# Altium PCB NixieDriver.PcbDoc
Units mm, origin at the board's own origin, x right, y up, seen from the top; angles counter-clockwise.
Board outline 137.67 x 55.88 mm, 2 copper layers (Top Layer, Bottom Layer), stack 1.671 mm thick; 53 components, 80 nets, 279 pads, 77 vias.
Unrouted connection lines stored in the file: 40.
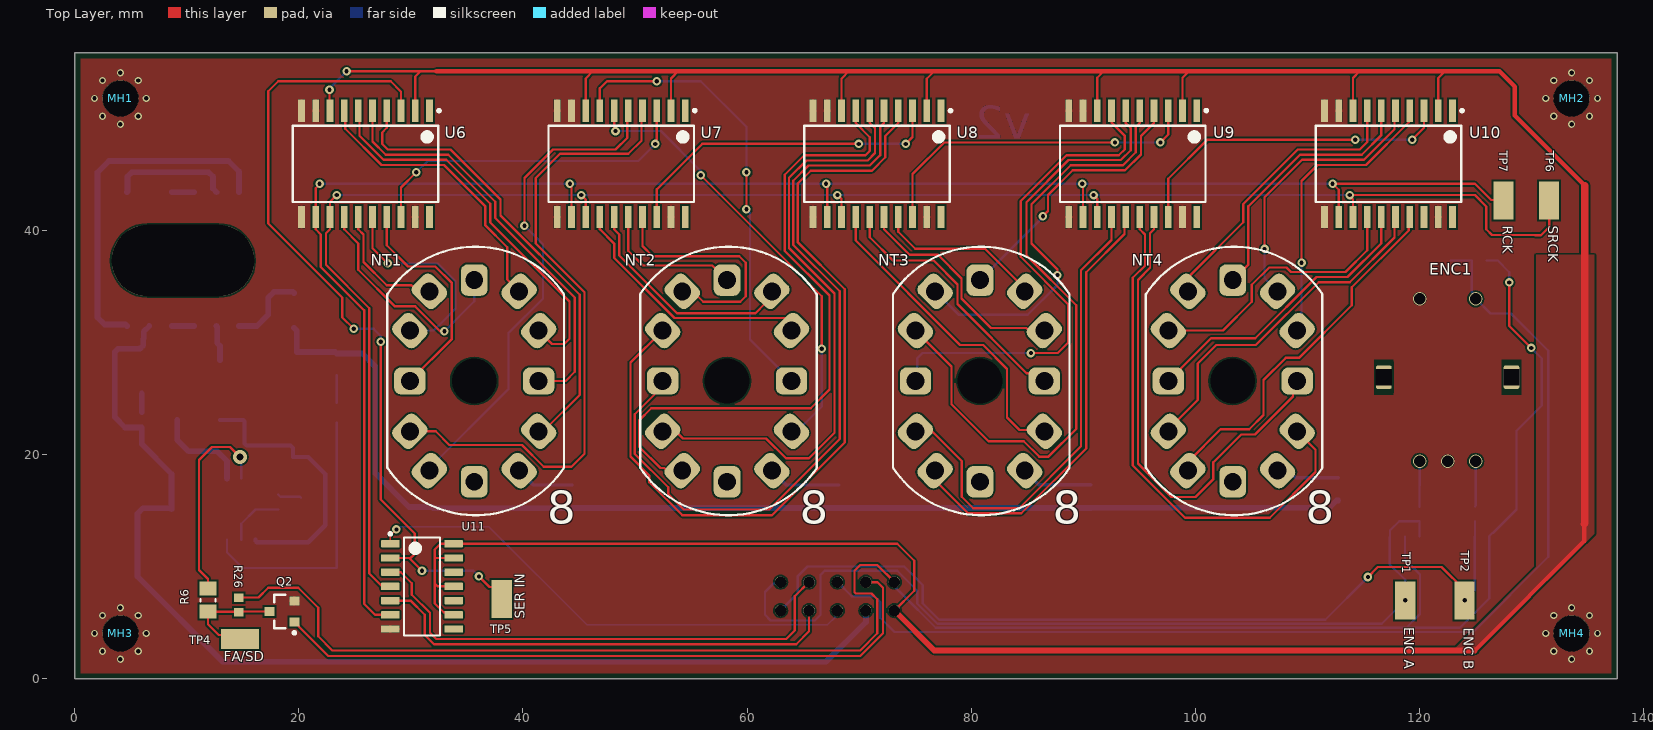
[diagram p0: Top Layer view]
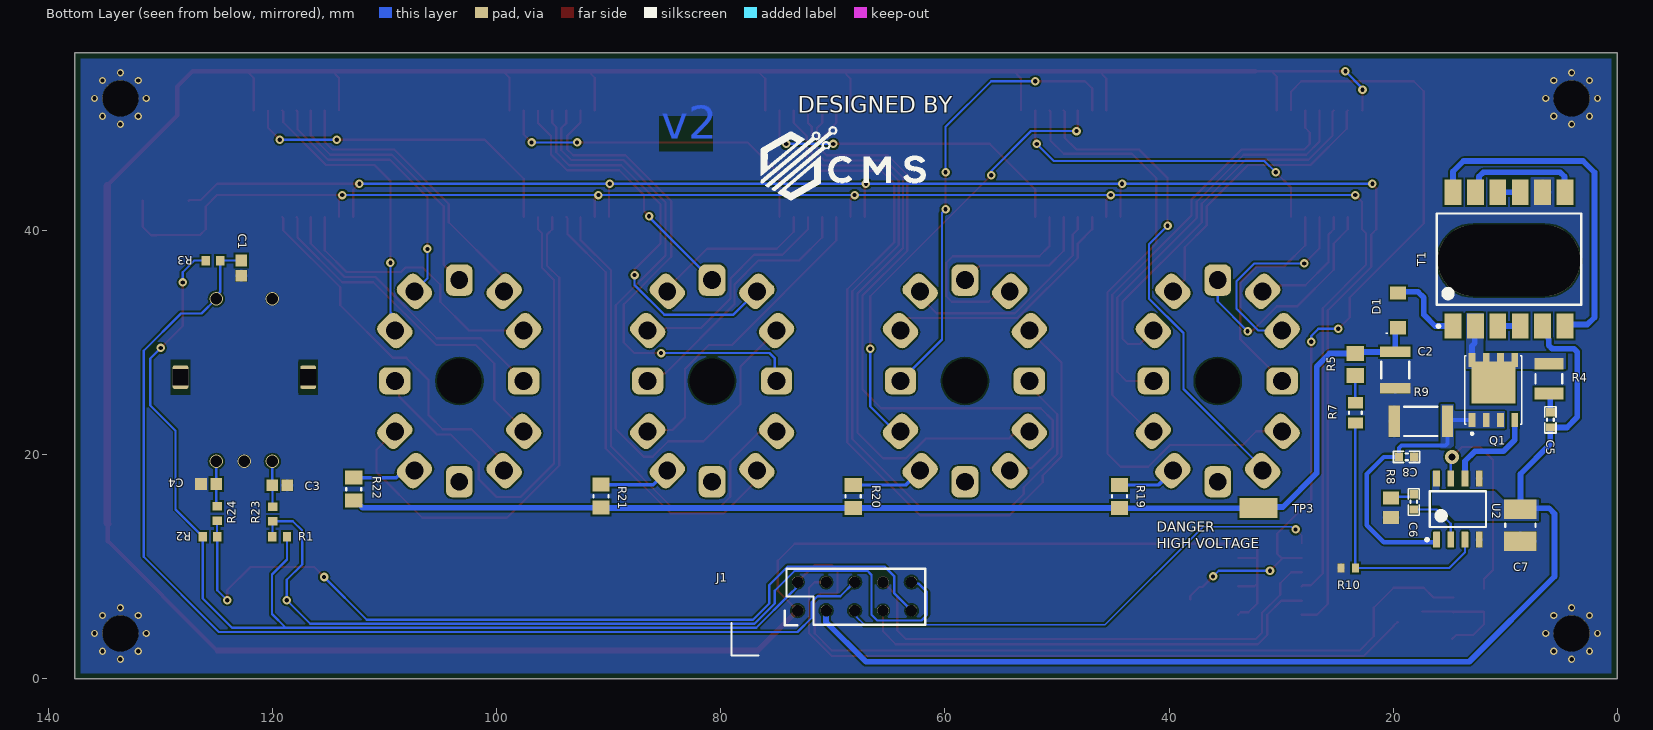
[diagram p1: Bottom Layer view, seen from below]
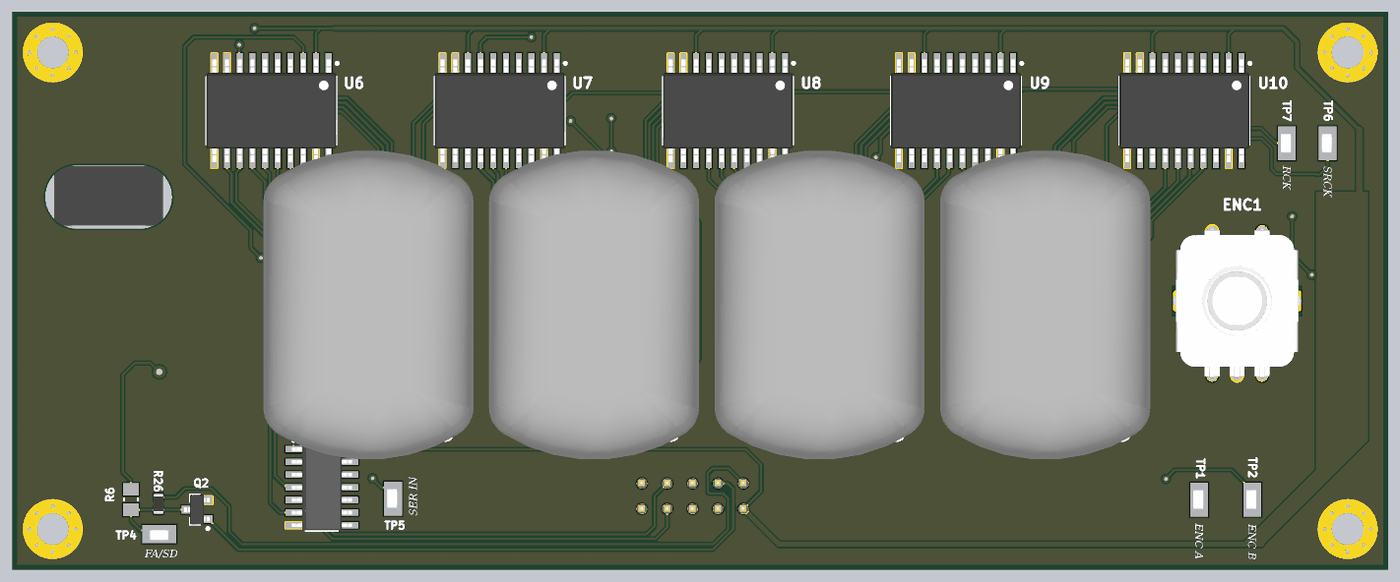
[diagram p2: 3D render of the assembled board from above, using the file's embedded part models]
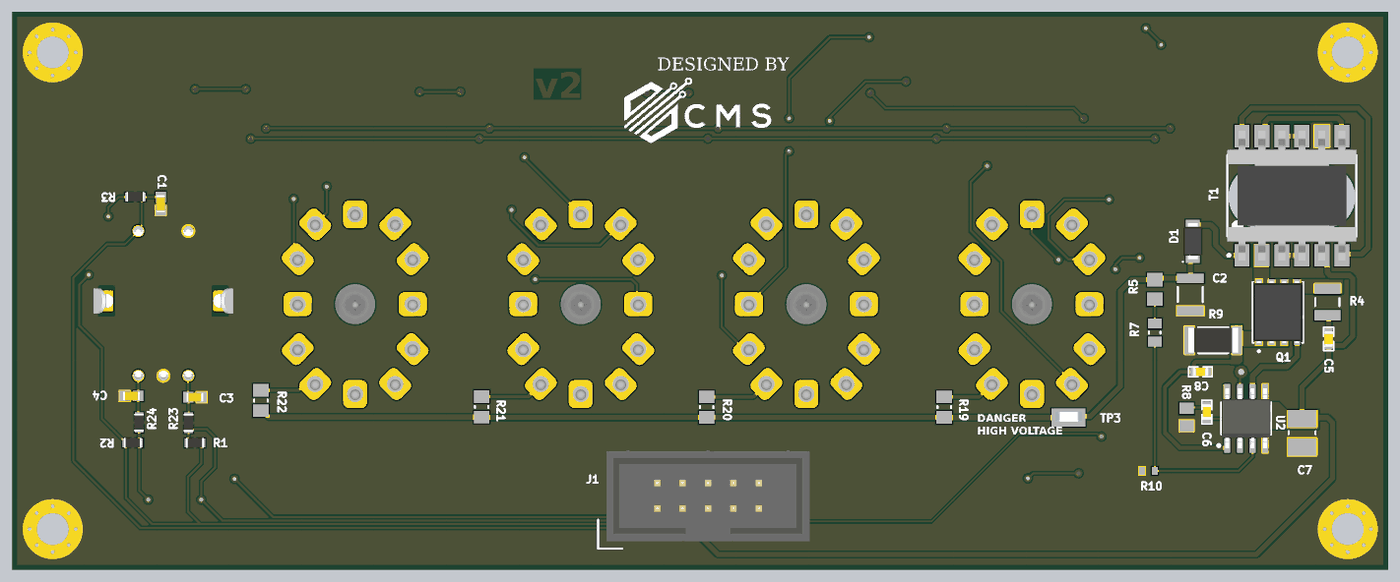
[diagram p3: 3D render of the assembled board from below, using the file's embedded part models]

## Layer stack, top to bottom
Top Solder: solder mask 0.0102, Solder Resist, Dk 3.5
Top Layer: signal copper 0.0356
Dielectric 1: dielectric 1.6, FR-4, Dk 4.8
Bottom Layer: signal copper 0.0356
Bottom Solder: solder mask 0.0102, Solder Resist, Dk 3.5

## Board outline
0,0 137.668,0 137.668,55.88 0,55.88

## Design rules (kind name [scope] priority, off if disabled: settings)
Clearance [All] p1: gap=0.152 ignorepadtopadclearanceinfootprint=FALSE
Height [All] p1: minheight=0 maxheight=50.8 prefheight=12.7
HoleSize [All] p1: absolutevalues=TRUE maxlimit=25.4 minlimit=0.2 maxpercent=80.000 minpercent=20.000
MinimumSolderMaskSliver [All] p1: minsoldermaskwidth=0.051
PolygonConnect [All vs IsNamedPolygon('BotVIN')] p1: connectstyle=Direct reliefconductorwidth=0.254 reliefentries=4 polygonreliefangle="90 Angle" airgapwidth=0.254
PolygonConnect FETDRAIN [All vs IsNamedPolygon('FETDRAIN')] p2: connectstyle=Direct reliefconductorwidth=0.254 reliefentries=4 polygonreliefangle="90 Angle" airgapwidth=0.254
PolygonConnect PolygonConnect_3 [All vs IsNamedPolygon('FETSRC')] p3: connectstyle=Direct reliefconductorwidth=0.254 reliefentries=4 polygonreliefangle="90 Angle" airgapwidth=0.254
RoutingVias [All] p1: holewidth=0.635 width=1.27 viastyle="Through Hole" minholewidth=0.3 minwidth=0.6 maxholewidth=0.711 maxwidth=1.27
SilkToSolderMaskClearance [IsPad] p1: minsilkscreentomaskgap=0 clearancetoexposedcopper=TRUE
SolderMaskExpansion [All] p1: expansion=0.102
Width [All] p1: maxlimit=1.016 minlimit=0.152 preferedwidth=0.203
26 further rules are at their usual default settings.

## Components (designator, comment, footprint, x,y, rotation, side; value= is the part's Value field where it differs from the comment)
C1 "CC0603KRX7R7BB104" CAPC1608X90X40ML10T20#1 122.809,36.663 r90 bottom
C2 "0.22uF 250V" MURA-1210_H_2.7_N 19.812,27.559 r90 bottom
C3 "CC0603KRX7R9BB103" CAPC1608X90X40ML10T20#2 119.38,17.272 r0 bottom
C4 "CC0603KRX7R9BB103" CAPC1608X90X40ML10T20#2 125.73,17.399 r180 bottom
C5 "360pF" CAPC1608X06L 5.969,23.114 r270 bottom
C6 "22nF" CAPC1608X06L 18.156,15.79 r270 bottom
C7 "100uF" CAPC3225X270X60ML30T30 8.636,13.716 r270 bottom
C8 "0.01uF" CAPC1608X06L 18.796,19.812 r0 bottom
D1 "300V 1A" DO-219AB 19.558,32.893 r90 bottom
ENC1 "PEC11L-4115F-S0020" PEC11L 120.04,33.924 r0 top
J1 "302-S101" "10pin Header TH" 73.152,6.096 r180 bottom
MH1 "MH" Mounting 4.064,51.816 r0 top
MH2 "MH" Mounting 133.604,51.816 r0 top
MH3 "MH" Mounting 4.064,4.064 r0 top
MH4 "MH" Mounting 133.604,4.064 r0 top
NT1 "IN-12A Nixie Tube" "IN-12 NIXIE" 39.652,18.594 r0 top
NT2 "IN-12A Nixie Tube" "IN-12 NIXIE" 62.219,18.594 r0 top
NT3 "IN-12A Nixie Tube" "IN-12 NIXIE" 84.786,18.594 r0 top
NT4 "IN-12A Nixie Tube" "IN-12 NIXIE" 107.353,18.594 r0 top
Q1 "FDMS86101" 8-PQFN 11.049,25.784 r90 bottom
Q2 "2N7002K-7" SOT95P245X110-3N 18.49,6.011 r180 top
R1 "ERJ3EKF1002V" RESC1609X55X30LL15T15 119.38,12.7 r180 bottom
R2 "ERJ3EKF1002V" RESC1609X55X30LL15T15 125.603,12.7 r0 bottom
R3 "ERJ3EKF1002V" RESC1609X55X30LL15T15 125.349,37.338 r0 bottom
R4 "249R" RESC3225X70X50LL20T20 6.096,26.797 r90 bottom
R5 "1M" RESC2013X70X40ML20T20 23.368,28.067 r90 bottom
R6 "47k" RESC2013X50X30ML20T20 11.886,7.027 r270 top
R7 "453k" RESC2013X60X35NL10T20 23.368,23.749 r90 bottom
R8 "4.7k" RESC2013X70X40NL20T20 20.188,15.282 r90 bottom
R9 "0.06R 1W" RES2010 17.526,22.987 r180 bottom
R10 "10.2k" RESC1608X55X25LL10T15 24.003,9.906 r180 bottom
R19 "CRCW080522K0FKEA" RESC2013X50X30ML20T20 44.425,16.281 r270 bottom
R20 "CRCW080522K0FKEA" RESC2013X50X30ML20T20 68.199,16.281 r270 bottom
R21 "CRCW080522K0FKEA" RESC2013X50X30ML20T20 90.703,16.307 r270 bottom
R22 "CRCW080522K0FKEA" RESC2013X50X30ML20T20 112.776,16.942 r270 bottom
R23 "ERJ3EKF1002V" RESC1609X55X30LL15T15 120.015,14.717 r90 bottom
R24 "ERJ3EKF1002V" RESC1609X55X30LL15T15 124.968,14.747 r90 bottom
R26 "ERJ3EKF1002V" RESC1609X55X30LL15T15 14.64,6.604 r90 top
T1 "749196141" ER11_5 9.652,37.465 r90 bottom
TP1 "Testpoint" "Keystone 5015" 118.745,7.01 r90 top
TP2 "Testpoint" "Keystone 5015" 124.054,7.01 r90 top
TP3 "Testpoint" "Keystone 5015" 32.004,15.24 r180 bottom
TP4 "Testpoint" "Keystone 5015" 14.732,3.556 r180 top
TP5 "Testpoint" "Keystone 5015" 38.1,7.112 r90 top
TP6 "Testpoint" "Keystone 5015" 131.597,42.697 r90 top
TP7 "Testpoint" "Keystone 5015" 127.508,42.697 r90 top
U2 "LM3478MAX/NOPB" D0008A_N 14.219,15.155 r90 bottom
U6 "TPIC6B595" SOIC127P1030X265-20N 25.943,45.974 r270 top
U7 "TPIC6B595" SOIC127P1030X265-20N 48.771,45.974 r270 top
U8 "TPIC6B595" SOIC127P1030X265-20N 71.6,45.974 r270 top
U9 "TPIC6B595" SOIC127P1030X265-20N 94.428,45.974 r270 top
U10 "TPIC6B595" SOIC127P1030X265-20N 117.256,45.974 r270 top
U11 "SN74HC04DR" D0014A_M 30.988,8.255 r0 top

## Footprints (in the part's own frame and the unit in brackets; to place one, negate y for a bottom-side part, rotate by r counter-clockwise, add the part's x,y. Pads: shape width x height; smd on the part's side, far side on the other; paste and mask are expansions set on the pad)
8-PQFN [mm]
  rect 3.75x3.91 smd: D(0.66,0)
  rect 1.27x0.61 smd: D(2.67,-1.905) D(2.67,-0.635) D(2.67,0.635) D(2.67,1.905) G(-2.67,-1.905) S(-2.67,-0.635) S(-2.67,0.635) S(-2.67,1.905)
  silkscreen extent -4,-2.55 3.08,2.55, body extent -3.1,-2.55 3.1,2.55, height 1.01
"10pin Header TH" [mm]
  round 1.02 hole 1.02: 1(0,0) 2(0,2.54) 3(2.54,0) 4(2.54,2.54) 5(5.08,0) 6(5.08,2.54) 7(7.62,0) 8(7.62,2.54) 9(10.16,0) 10(10.16,2.54)
  silkscreen extent -5.9,-4 11.4,3.74, body extent -5.06,-3.25 15.26,5.85, height 9.01
CAPC1608X06L [mm]
  rect 0.75x0.8 smd: 1(-0.675,0) 2(0.675,0)
  silkscreen extent -1.17,-0.5 1.18,0.5, body extent -0.8,-0.43 0.8,0.43, height 0.8
CAPC1608X90X40ML10T20#1 [mm] "Chip Capacitor, 2-Leads, Body 1.7x0.9mm, IPC Low Density"
  rect 1.05x1.05 smd mask+0.076: 1(-0.675,0) 2(0.675,0)
  body extent -0.85,-0.45 0.85,0.45, height 0.9
CAPC1608X90X40ML10T20#2 [mm] "Chip Capacitor, 2-Leads, Body 1.7x0.9mm, IPC Low Density"
  rect 1.05x1.05 smd: 1(-0.675,0) 2(0.675,0)
  body extent -0.85,-0.45 0.85,0.45, height 0.9
CAPC3225X270X60ML30T30 [mm] "Chip Capacitor, 2-Leads, Body 3.20x2.50mm, IPC Low Density"
  rect 1.75x2.9 smd: 1(-1.425,0) 2(1.425,0)
  silkscreen extent -0.15,-1.35 0.15,1.35, body extent -1.75,-1.4 1.75,1.4, height 2.7
D0008A_N [mm] "SOIC, 8-Leads, Body 5x4mm, Pitch 1.27mm, IPC Medium Density"
  rrect17% 1.45x0.6 smd: 1(-2.725,1.905) 2(-2.725,0.635) 3(-2.725,-0.635) 4(-2.725,-1.905) 5(2.725,-1.905) 6(2.725,-0.635) 7(2.725,0.635) 8(2.725,1.905)
  silkscreen extent -2.85,-2.5 1.6,2.88, body extent -3,-2.45 3,2.45, height 1.63
D0014A_M [mm] "SOIC, 14-Leads, Body 8.75x4mm, Pitch 1.27mm, IPC Low Density"
  rrect15% 1.65x0.65 smd: 1(-2.825,3.81) 2(-2.825,2.54) 3(-2.825,1.27) 4(-2.825,0) 5(-2.825,-1.27) 6(-2.825,-2.54) 7(-2.825,-3.81) 8(2.825,-3.81) 9(2.825,-2.54) 10(2.825,-1.27) 11(2.825,0) 12(2.825,1.27) 13(2.825,2.54) 14(2.825,3.81)
  silkscreen extent -2.95,-4.38 1.6,4.81, body extent -3.02,-4.32 3.02,4.32, height 1.59
DO-219AB [mm] "SODFL, 2-Leads, Body 1.80x3.60mm, IPC Medium Density"
  rect 1.2x1.4 smd: 1(-1.55,0) 2(1.55,0)
  silkscreen extent -2.1,0.95 -2,1.05, body extent -1.8,-0.95 1.8,0.95, height 1.43
ER11_5 [mm] "SMD, 12-Leads, Body 12.9x9.2mm (max), Pitch 2.00mm, IPC Medium Density"
  rect 2.25x1.5 smd: 1(-5.975,5) 2(-5.975,3) 3(-5.975,1) 4(-5.975,-1) 5(-5.975,-3) 6(-5.975,-5) 7(5.975,-5) 8(5.975,-3) 9(5.975,-1) 10(5.975,1) 11(5.975,3) 12(5.975,5)
  silkscreen extent -6.1,-6.45 4.08,6.45, body extent -6.5,-6.45 6.5,6.45, height 6.15
"IN-12 NIXIE" [mm]
  rrect50% 2.4x2.8 hole 1.6 rot 45: 1(0,0) 2(1.75,3.5) 7(-8,16) 8(-9.75,12.5)
  rrect50% 2.8x2.4 hole 1.6: 3(1.75,8) 9(-9.75,8)
  rrect50% 2.4x2.8 hole 1.6 rot 135: 4(1.75,12.5) 5(0,16) 10(-9.75,3.5) 11(-8,0)
  rrect50% 2.4x2.8 hole 1.6: 6(-4,17) 12(-4,-1)
  round 0 hole 4 unplated: 13(-4,8)
  silkscreen extent -11.76,-3.98 4.01,19.98, body extent -14.51,-7.57 6.5,23.43, height 32
"Keystone 5015" [mm]
  rect 3.4x1.8 smd: 1(0,0)
  body extent -1.31,-0.43 1.36,0.59, height 1.52
Mounting [mm]
  round 3.2 hole 3.2 mask+1.4: 1(0,0)
MURA-1210_H_2.7_N [mm] "Chip Capacitor, 2-Leads, Body 3.5x2.7mm, IPC Medium Density"
  rect 0.95x2.7 smd: 1(-1.625,0) 2(1.625,0)
  silkscreen extent -0.75,-1.25 0.75,1.25, body extent -1.75,-1.35 1.75,1.35, height 2.7
PEC11L [mm] "Encoder"
  round 1.2 hole 1: 1(0,0) 2(5,0) A(0,-14.5) B(5,-14.5) C(2.5,-14.5)
  rrect25% 1.4x2.1 hole 1.4 square unplated: ""(-3.2,-7) ""(8.2,-7)
  body extent -4.5,-14.7 9.5,0.2, height 26.61
RES2010 [mm] "Chip Resistor, 2-Leads, Body 5.00x2.50mm, IPC Medium Density"
  rect 1x2.8 smd: 1(-2.375,0) 2(2.375,0)
  silkscreen extent -1.5,-1.3 1.5,1.3, body extent -2.5,-1.25 2.5,1.25, height 0.6
RESC1608X55X25LL10T15 [mm] "Chip Resistor, 2-Leads, Body 1.60x0.80mm, IPC High Density"
  rect 0.6x0.8 smd: 1(-0.65,0) 2(0.65,0)
  body extent -0.85,-0.45 0.85,0.45, height 0.55
RESC1609X55X30LL15T15 [mm] "Chip Resistor, 2-Leads, Body 1.75x0.95mm, IPC High Density"
  rect 0.75x0.85 smd: 1(-0.65,0) 2(0.65,0)
  body extent -0.87,-0.48 0.88,0.47, height 0.55
RESC2013X50X30ML20T20 [mm] "Chip Resistor, 2-Leads, Body 2.00x1.25mm, IPC Low Density"
  rect 1.25x1.55 smd: 1(-1.025,0) 2(1.025,0)
  silkscreen extent -0.1,-0.67 0.1,0.67, body extent -1.1,-0.73 1.1,0.73, height 0.5
RESC2013X60X35NL10T20 [mm] "Chip Resistor, 2-Leads, Body 2.00x1.25mm, IPC Medium Density"
  rect 1x1.35 smd: 1(-0.9,0) 2(0.9,0)
  silkscreen extent -0.1,-0.58 0.1,0.57, body extent -1.05,-0.68 1.05,0.67, height 0.6
RESC2013X70X40ML20T20 [mm] "Chip Resistor, 2-Leads, Body 2.00x1.25mm, IPC Low Density"
  rect 1.35x1.55 smd: 1(-0.975,0) 2(0.975,0)
  body extent -1.1,-0.72 1.1,0.72, height 0.7
RESC2013X70X40NL20T20 [mm] "Chip Resistor, 2-Leads, Body 2.2x1.35mm, IPC Medium Density"
  rect 1.15x1.45 smd: 1(-0.875,0) 2(0.875,0)
  body extent -1.1,-0.73 1.1,0.72, height 0.7
RESC3225X70X50LL20T20 [mm] "Chip Resistor, 2-Leads, Body 3.20x2.50mm, IPC High Density"
  rect 1.05x2.6 smd: 1(-1.325,0) 2(1.325,0)
  silkscreen extent -0.4,-1.2 0.4,1.2, body extent -1.7,-1.35 1.7,1.35, height 0.7
SOIC127P1030X265-20N [mm] "SOIC, 20-Leads, Body 12.80x7.50mm, Pitch 1.27mm, IPC Medium Density"
  rect 2x0.6 smd: 1(-4.75,5.715) 2(-4.75,4.445) 3(-4.75,3.175) 4(-4.75,1.905) 5(-4.75,0.635) 6(-4.75,-0.635) 7(-4.75,-1.905) 8(-4.75,-3.175) 9(-4.75,-4.445) 10(-4.75,-5.715) 11(4.75,-5.715) 12(4.75,-4.445) 13(4.75,-3.175) 14(4.75,-1.905) 15(4.75,-0.635) 16(4.75,0.635) 17(4.75,1.905) 18(4.75,3.175) 19(4.75,4.445) 20(4.75,5.715)
  silkscreen extent -4.87,-6.5 3.4,6.69, body extent -5.15,-6.5 5.15,6.5, height 2.65
SOT95P245X110-3N [mm] "SOT23, 3-Leads, Body 2.90x2.45mm, Pitch 0.95mm, IPC Medium Density"
  rect 0.9x0.8 smd: 1(-1.1,0.95) 2(-1.1,-0.95) 3(1.1,0)
  silkscreen extent -1.23,-1.5 0.7,2.02, body extent -1.3,-1.5 1.3,1.5, height 1.1

## Part data
C1: library part CMP-2000-05002-1, "Ceramic Multilayer Capacitor, 100 nF, +/- 10%, 50 V, -55 to 155 degC, 0603 (1608 Metric), RoHS, Tape and Reel", Capacitance=0.1µF, Manufacturer=Yageo, Operating Temperature=-55degC~125degC, Package / Case=0603(1608Metric), Package Description="2-Pin Surface Mount Device, Body 1.6 x 0.8 mm", Package Reference=603, Ratings=-, Standard Package=1, Temperature Coefficient=X7R, Tolerance=±10%, Voltage - Rated=16V, Applications=GeneralPurpose, Category=Capacitors, Datasheet URL=https://datasheet.ciiva.com/11786/0900766b80d84f1d-11786077.pdf, Datasheet Version="Rev. 2, 05/2009", Family=CeramicCapacitors, Featured Product=CommodityMultilayerCeramicCapacitors–CCSeries, Features=-, Height - Seated (Max)=-, Lead Spacing=-, Lead Style=-, Manufacturer URL=http://www.yageo.com/, Mounting Type=SurfaceMount,MLCC, Online Catalog=CCSeries, Other Names=311-1088-6, Packaging=Digi-Reel, Product Training Modules=MultilayerCeramicCapacitors, Series=CC, Size / Dimension="0.063\"Lx0.031\"W(1.60mmx0.80mm)", Thickness (Max)="0.035\"(0.90mm)"
C2: library part C3225X7R2E224K200AA, "CAP CER 0.22UF 250V X7R 1210", Capacitance=220nF, Case/Package=1210, Case Code (Metric)=3225, Dielectric=X7R, Manufacturer=TDK, Max Operating Temperature=125°C, Min Operating Temperature=-55°C, Package Quantity=1, Supplier Part Number 1=445-2296-1-ND, Tolerance=10%, Voltage=250V, Case Code (Imperial)=1210, ComponentLink1Description=https://datasheet.ciiva.com/24218/c3225x7r2e224k200aa-265438-24218947.pdf?src-supplier=Mouser, ComponentLink1URL=https://datasheet.ciiva.com/24218/c3225x7r2e224k200aa-265438-24218947.pdf?src-supplier=Mouser, ComponentLink2Description=https://datasheet.ciiva.com/11788/0900766b80fc5cba-11788253.pdf?src-supplier=RSComponents, ComponentLink2URL=https://datasheet.ciiva.com/11788/0900766b80fc5cba-11788253.pdf?src-supplier=RSComponents, ComponentLink3Description=https://datasheet.ciiva.com/16216/mid-volt-b11-16216871.pdf?src-supplier=Future+Electronics, ComponentLink3URL=https://datasheet.ciiva.com/16216/mid-volt-b11-16216871.pdf?src-supplier=Future+Electronics, ComponentLink4Description=https://datasheet.ciiva.com/28620/1484596-28620687.pdf?src-supplier=Element14, ComponentLink4URL=https://datasheet.ciiva.com/28620/1484596-28620687.pdf?src-supplier=Element14, Composition=Ceramic, Depth=2.5mm, Height=2mm, Lead Free="Lead Free", Length=3.2mm, Manufacturer Part Number=C3225X7R2E224K200AA, Mount="Surface Mount", Number of Pins=2, Packaging="Tape and Reel", Pricing 1="1=0.53000, 10=0.36700, 100=0.22010, 500=0.16508 (USD)", REACH SVHC="No SVHC", RoHS=Yes, Stock 1=0, Supplier 1=Digi-Key, Termination=SMD/SMT, Thickness=0.087inch, Voltage Rating=250V, Voltage Rating (DC)=250V, Weight=0.000564oz, Width=0.098inch
C3 C4: library part CMP-2100-03600-1, "Chip Capacitor, 10 nF, +/- 10%, 50 V, -55 to 125 degC, 0603 (1608 Metric), RoHS, Tape and Reel", Capacitance=10nF, Case/Package=0603, Case Code (Metric)=1608, Dielectric=X7R, Insulation Resistance=100GR, Manufacturer=Yageo, Max Operating Temperature=125degC, Min Operating Temperature=-55degC, Package Description="2-Pin Surface Mount Device, Body 1.6 x 0.8 mm", Package Quantity=1, Tolerance=10%, Voltage=50V, Case Code (Imperial)=0603, Composition=Ceramic, Datasheet URL=http://www.yageo.com/documents/recent/UPY-GPHC_X7R_6.3V-to-50V_15.pdf, Datasheet Version="Rev. 15, 10/2016", Depth=0.8mm, Height=0.8mm, Lead Free=LeadFree, Length=1.6mm, Manufacturer URL=http://www.yageo.com/, Material=Ceramic, Mount=SurfaceMount, Number of Pins=2, Package Reference=0603, Packaging=TapeandReel, Radiation Hardening=No, REACH SVHC=NoSVHC, RoHSCompliant=True, Termination=SMD/SMT, Thickness=0.035inch, Voltage Rating=50V, Voltage Rating (DC)=50V, Width=0.031inch
C5 C6 C8: "Capacitor, X5R, ±10%", Case/Package=0603, Part Number=C0603-4µ7, Artikkelnr Noca=20069060, Artikkelnr Simpro=N.A., Footprint Doc=0603, LatestRevisionDate=2009-11-23, Note=6.3V, Pin Count=2, Published=2009-05-08, Publisher="Nordic Semiconductor"
C7: library part CMP-2000-05020-1, "Chip Capacitor, 100 uF, +/- 20%, 16 V, -55 to 85 degC, 1210 (3225 Metric), RoHS, Tape and Reel", Capacitance=100µF, Manufacturer="Taiyo Yuden", Operating Temperature=-55degC~85degC, Package / Case=1210(3225Metric), Package Description="2-Pin Surface Mount Device, Body 3.2 x 2.5 mm", Package Reference=1210, Ratings=-, Standard Package=1, Supplier part number=587-3152-1-ND, Temperature Coefficient=X5R, Tolerance=±20%, Voltage - Rated=16V, Applications=GeneralPurpose, Catalog Drawings=xMKSeries_1210_2.5, Category=Capacitors, Datasheet URL=https://ciiva.com/datasheet-click-5744960?src=ciiva&sig=9db3bb6, Datasheet Version=Aug-11, Family=CeramicCapacitors, Featured Product=CeramicCapacitorsHighCapacitanceMLCC, Features=-, Height - Seated (Max)=-, Lead Spacing=-, Lead Style=-, Manufacturer URL=http://www.t-yuden.com/, Mounting Type=SurfaceMount,MLCC, Online Catalog=MSeries, Other Names=587-3152-6, Packaging=Digi-Reel, Series=M, Size / Dimension="0.126\"Lx0.098\"W(3.20mmx2.50mm)", Thickness (Max)="0.106\"(2.70mm)"
D1: library part ES1F, "DIODE GEN PURP 300V 1A SMA", Average Rectified Current=1A, Case/Package=SMA, Forward Voltage=1.3V, Manufacturer="ON Semiconductor / Fairchild", Max Forward Surge Current (Ifsm)=30A, Max Operating Temperature=150°C, Max Repetitive Reverse Voltage (Vrrm)=300V, Min Operating Temperature=-55°C, Package Quantity=1, Peak Reverse Current=5uA, Supplier Part Number 1=ES1FCT-ND, ComponentLink1Description=https://datasheet.ciiva.com/918/es1f-918448.pdf?src-supplier=Digi-Key, ComponentLink1URL=https://datasheet.ciiva.com/918/es1f-918448.pdf?src-supplier=Digi-Key, ComponentLink2Description=https://datasheet.ciiva.com/918/es1f-918448.pdf?src-supplier=Avnet, ComponentLink2URL=https://datasheet.ciiva.com/918/es1f-918448.pdf?src-supplier=Avnet, ComponentLink3Description=https://datasheet.ciiva.com/16890/es1f-16890757.pdf?src-supplier=Future+Electronics, ComponentLink3URL=https://datasheet.ciiva.com/16890/es1f-16890757.pdf?src-supplier=Future+Electronics, ComponentLink4Description=https://datasheet.ciiva.com/28375/es1j-28375757.pdf?src-supplier=Avnet+Europe, ComponentLink4URL=https://datasheet.ciiva.com/28375/es1j-28375757.pdf?src-supplier=Avnet+Europe, ComponentLink5Description=https://datasheet.ciiva.com/918/es1f-918446.pdf?src-supplier=Digi-Key, ComponentLink5URL=https://datasheet.ciiva.com/918/es1f-918446.pdf?src-supplier=Digi-Key, ComponentLink6Description=https://datasheet.ciiva.com/22696/298953-22696206.pdf?src-supplier=Element14, ComponentLink6URL=https://datasheet.ciiva.com/22696/298953-22696206.pdf?src-supplier=Element14, ComponentLink7Description=https://datasheet.ciiva.com/918/es1f-918447.pdf?src-supplier=Digi-Key, ComponentLink7URL=https://datasheet.ciiva.com/918/es1f-918447.pdf?src-supplier=Digi-Key, Contact Plating=Tin,Matte, Current=1A, Element Configuration=Single, Forward Current=1A, Height=2.235mm, Lead Free="Lead Free", Length=4.6mm, Manufacturer Part Number=ES1F, Max Reverse Voltage (DC)=300V, Max Surge Current=30A, Mount="Surface Mount", Number of Pins=2, Packaging="Tape and Reel", Peak Non-Repetitive Surge Current=30A, Pricing 1="1=0.38000, 10=0.28000, 100=0.15860, 500=0.10506, 1000=0.08055 (USD)", Radiation Hardening=No, REACH SVHC="No SVHC", Recovery Time=35ns, Reverse Recovery Time=35ns, Reverse Voltage=300V, RoHS=Yes, Stock 1=205734, Supplier 1=Digi-Key, Termination=SMD/SMT, Voltage=300V, Width=2.896mm
ENC1: "LOW PROFILE ENCODER, 11 MM, CONTACT RATING 10 MA - 5 VDC", Manufacturer=Bourns, Max Operating Temperature=80°C, Min Operating Temperature=-25°C, Package Quantity=75, Supplier Part Number 1=PEC11L-4115F-S0020-ND, Built in Switch=Yes, ComponentLink1Description=https://datasheet.ciiva.com/29519/pec11l-29519359.pdf?src-supplier=Digi-Key, ComponentLink1URL=https://datasheet.ciiva.com/29519/pec11l-29519359.pdf?src-supplier=Digi-Key, Detent=Yes, Encoder Type=Mechanical, Height=12mm, Length=19.5mm, Manufacturer Part Number=PEC11L-4115F-S0020, Mount="Through Hole,Panel,PCB", Number of Channels=2, Orientation=Vertical, Output Type=Quadrature,Incremental, Packaging=Bulk, Pricing 1="1=2.34000, 10=2.05900, 25=1.84600, 50=1.77500, 100=1.70400, 250=1.63300, 500=1.34900, 1000=1.27800, 5000=1.06500 (USD)", Pulses per Revolution=20, RoHS=Yes, Stock 1=2681, Supplier 1=Digi-Key, Termination="PC Pin", Width=11.8mm
J1: "CONN HEADER VERT 10POS 2.54MM", Color=Black, Manufacturer="On-Shore Technology", Supplier Part Number 1=ED1543-ND, ComponentLink1Description=https://datasheet.ciiva.com/732/302-sxxx-732946.pdf?src-supplier=Digi-Key, ComponentLink1URL=https://datasheet.ciiva.com/732/302-sxxx-732946.pdf?src-supplier=Digi-Key, Connector Type="Male Pin", Contact Plating=Gold, Manufacturer Part Number=302-S101, Mount="Through Hole", Number of Positions=10, Number of Rows=2, Packaging=Tray, Pitch=0.1inch, Pricing 1="1=0.28000, 10=0.26300, 100=0.18380, 500=0.15750, 1000=0.13125, 5000=0.11250, 10000=0.10500 (USD)", RoHS=Yes, Row Spacing=0.1inch, Stock 1=44685, Supplier 1=Digi-Key, Termination=Solder
NT1 NT2 NT3 NT4: Case/Package=IN-12A/B
Q1: "MOSFET 100/20V Nch Power Trench", Case/Package=8-PowerTDFN, Continuous Drain Current (ID)=12.4A, Drain to Source Breakdown Voltage=100V, Drain to Source Resistance=8mR, Gate to Source Voltage (Vgs)=20V, Input Capacitance=3nF, Manufacturer="ON Semiconductor / Fairchild", Max Operating Temperature=150°C, Max Power Dissipation=104W, Min Operating Temperature=-55°C, On-State Resistance=8MR, Package Quantity=1, Power Dissipation=2.5W, Supplier Part Number 1=FDMS86101CT-ND, Threshold Voltage=2.9V, ComponentLink1Description=https://datasheet.ciiva.com/6381/fdms86101-6381520.pdf?src-supplier=Digi-Key, ComponentLink1URL=https://datasheet.ciiva.com/6381/fdms86101-6381520.pdf?src-supplier=Digi-Key, ComponentLink2Description=https://datasheet.ciiva.com/4444/fdms86101-95220-4444274.pdf?src-supplier=Mouser, ComponentLink2URL=https://datasheet.ciiva.com/4444/fdms86101-95220-4444274.pdf?src-supplier=Mouser, ComponentLink3Description=https://datasheet.ciiva.com/1255/1725665-1255830.pdf?src-supplier=Newark, ComponentLink3URL=https://datasheet.ciiva.com/1255/1725665-1255830.pdf?src-supplier=Newark, ComponentLink4Description=https://datasheet.ciiva.com/26790/fdms86101-26790798.pdf?src-supplier=IIIC, ComponentLink4URL=https://datasheet.ciiva.com/26790/fdms86101-26790798.pdf?src-supplier=IIIC, ComponentLink5Description=https://datasheet.ciiva.com/6381/fdms86101-6381525.pdf?src-supplier=Digi-Key, ComponentLink5URL=https://datasheet.ciiva.com/6381/fdms86101-6381525.pdf?src-supplier=Digi-Key, ComponentLink6Description=https://datasheet.ciiva.com/26142/fdms86101-26142714.pdf?src-supplier=Avnet+Europe, ComponentLink6URL=https://datasheet.ciiva.com/26142/fdms86101-26142714.pdf?src-supplier=Avnet+Europe, ComponentLink7Description=https://datasheet.ciiva.com/11176/fdms86101-11176157.pdf?src-supplier=Avnet, ComponentLink7URL=https://datasheet.ciiva.com/11176/fdms86101-11176157.pdf?src-supplier=Avnet, ComponentLink8Description=https://datasheet.ciiva.com/17071/fdms86101-17071711.pdf?src-supplier=Future+Electronics, ComponentLink8URL=https://datasheet.ciiva.com/17071/fdms86101-17071711.pdf?src-supplier=Future+Electronics, Contact Plating=Tin,Matte, Drain to Source Voltage (Vdss)=100V, Element Configuration=Single, Fall Time=7ns, Height=1.05mm, Lead Free="Lead Free", Length=5.1mm, Manufacturer Part Number=FDMS86101, Mount="Surface Mount", Number of Elements=1, Number of Pins=8, Packaging="Tape and Reel", Pricing 1="1=1.55000, 10=1.39200, 100=1.11890, 500=0.91928, 1000=0.76169 (USD)", Radiation Hardening=No, Rds On Max=8mR, REACH SVHC="No SVHC", Rise Time=11ns, RoHS=Yes, Stock 1=17955, Supplier 1=Digi-Key, Turn-Off Delay Time=27ns, Turn-On Delay Time=15ns, Weight=0.0681g, Width=6.25mm
Q2: "DIODES INC. - 2N7002K-7 - MOSFET, N CH, 60V, 0.3A, SOT-23", Case/Package=SOT-23, Continuous Drain Current (ID)=380mA, Drain to Source Breakdown Voltage=60V, Drain to Source Resistance=3R, Gate to Source Voltage (Vgs)=20V, Input Capacitance=50pF, Manufacturer=Diodes, Max Operating Temperature=150°C, Max Power Dissipation=540mW, Min Operating Temperature=-55°C, On-State Resistance=2R, Package Quantity=3000, Supplier Part Number 1=2N7002K-7DICT-ND, Threshold Voltage=1.6V, ComponentLink1Description=https://datasheet.ciiva.com/1254/ds30896-1254496.pdf?src-supplier=Newark, ComponentLink1URL=https://datasheet.ciiva.com/1254/ds30896-1254496.pdf?src-supplier=Newark, ComponentLink2Description=https://datasheet.ciiva.com/15137/getdatasheetpartid-75159-15137378.pdf?src-supplier=Verical, ComponentLink2URL=https://datasheet.ciiva.com/15137/getdatasheetpartid-75159-15137378.pdf?src-supplier=Verical, ComponentLink3Description=https://datasheet.ciiva.com/4444/ds30896-81375-4444887.pdf?src-supplier=Mouser, ComponentLink3URL=https://datasheet.ciiva.com/4444/ds30896-81375-4444887.pdf?src-supplier=Mouser, ComponentLink4Description=https://datasheet.ciiva.com/25624/0900766b81151e8c-25624936.pdf?src-supplier=RSComponents, ComponentLink4URL=https://datasheet.ciiva.com/25624/0900766b81151e8c-25624936.pdf?src-supplier=RSComponents, ComponentLink5Description=https://datasheet.ciiva.com/48532/ds30896-48532645.pdf?src-supplier=Avnet, ComponentLink5URL=https://datasheet.ciiva.com/48532/ds30896-48532645.pdf?src-supplier=Avnet, ComponentLink6Description=https://datasheet.ciiva.com/1188/ds30896-1188422.pdf?src-supplier=Element14, ComponentLink6URL=https://datasheet.ciiva.com/1188/ds30896-1188422.pdf?src-supplier=Element14, ComponentLink7Description=https://datasheet.ciiva.com/17323/ds30896-17323945.pdf?src-supplier=Avnet+Europe, ComponentLink7URL=https://datasheet.ciiva.com/17323/ds30896-17323945.pdf?src-supplier=Avnet+Europe, ComponentLink8Description=https://datasheet.ciiva.com/16200/ds30896-16200842.pdf?src-supplier=Future+Electronics, ComponentLink8URL=https://datasheet.ciiva.com/16200/ds30896-16200842.pdf?src-supplier=Future+Electronics, Drain to Source Voltage (Vdss)=60V, Element Configuration=Single, Fall Time=9.9ns, Height=1mm, Lead Free="Lead Free", Length=2.9mm, Manufacturer Part Number=2N7002K-7, Mount="Surface Mount", Nominal Vgs=1.6V, Number of Channels=1, Number of Elements=1, Number of Pins=3, Packaging="Tape and Reel", Power Dissipation=540mW, Pricing 1="1=0.21000, 10=0.17200, 100=0.09100, 500=0.05988, 1000=0.04072 (USD)", Radiation Hardening=No, Rds On Max=2R, REACH SVHC="No SVHC", Rise Time=3.4ns, RoHS=Yes, Stock 1=6355485, Supplier 1=Digi-Key, Turn-Off Delay Time=15.7ns, Turn-On Delay Time=3.9ns, Weight=0.000282oz, Width=1.3mm